# Altium PCB MU_MP_39_V1_ASMB.PcbDoc (part 2 of 15) (continued)
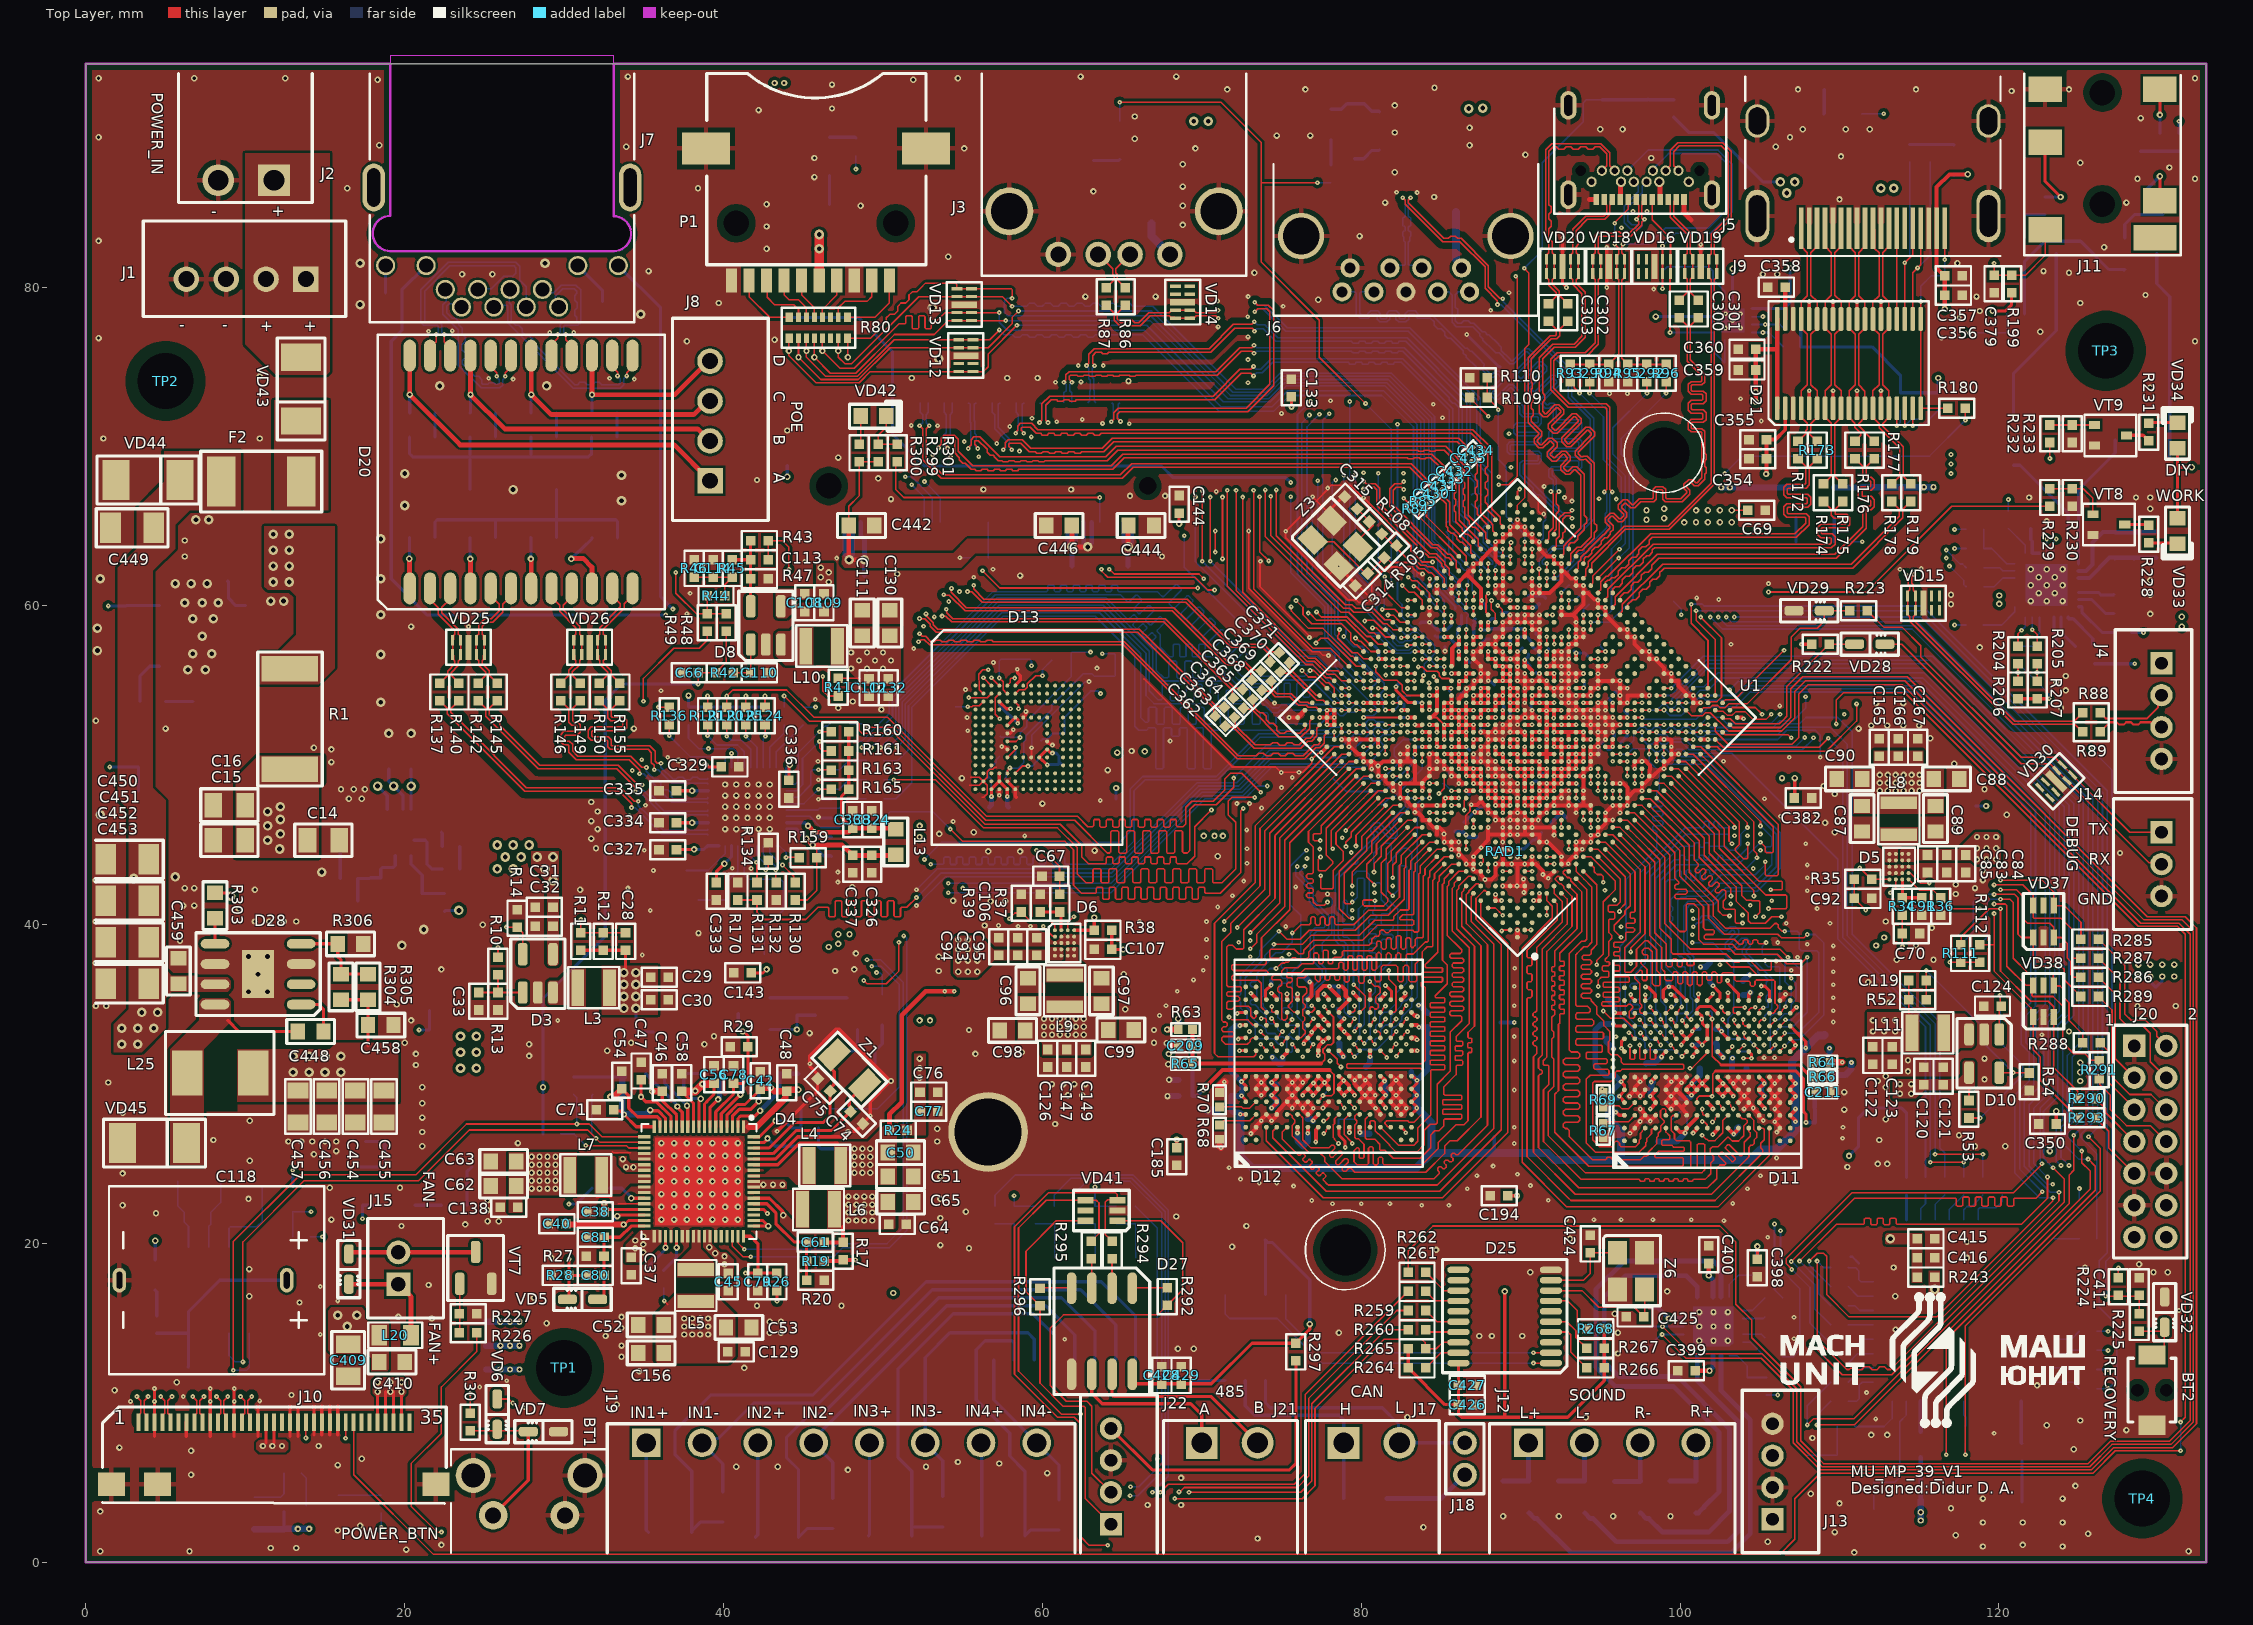
[diagram p0: Top Layer view]
## Components (designator, comment, footprint, x,y, rotation, side; value= is the part's Value field where it differs from the comment) (continued)
R92 "15K" RES_SMD_0402 95.1,91.2 r270 bottom
R93 "100K" RES_SMD_0402 93.125,74.6 r270 top
R94 "2M" RES_SMD_0402 95.525,74.6 r90 top
R95 "2M" RES_SMD_0402 96.725,74.6 r90 top
R96 "100K" RES_SMD_0402 99.125,74.6 r270 top
R97 "499R" RES_SMD_0402_SMALL 94.55,60.375 r45 bottom
R98 "499R" RES_SMD_0402_SMALL 92.25,59.647 r225 bottom
R99 "499R" RES_SMD_0402_SMALL 93.975,60.925 r45 bottom
R100 "499R" RES_SMD_0402_SMALL 93.381,61.611 r225 bottom
R101 "1K" RES_SMD_0402 78.1,87.1 r90 bottom
R102 "4K7" RES_SMD_0402 79.6,88.6 r90 bottom
R103 "47K" RES_SMD_0402 79.6,90.95 r270 bottom
R104 "0R" RES_SMD_0402 45.4,28.45 r180 bottom
R105 "1M" RES_SMD_0402 81.825,63.4 r225 top
R106 "10K" RES_SMD_0402 125.6,22.7 r0 bottom
R107 "DNP" RES_SMD_0402 125.6,21.5 r180 bottom
R108 "22R" RES_SMD_0402 80.9,64.9 r135 top
R109 "10K" RES_SMD_0402 87.35,73.075 r180 top
R110 "10K" RES_SMD_0402 87.35,74.3 r0 top
R111 "2K2" RES_SMD_0402 117.6,38.2 r90 top
R112 "2K2" RES_SMD_0402 118.8,38.2 r90 top
R113 "2K2" RES_SMD_0402 107.025,76.25 r180 bottom
R114 "2K2" RES_SMD_0402 107.025,77.45 r180 bottom
R115 "2K2" RES_SMD_0402 30.6,29.9 r270 bottom
R116 "2K2" RES_SMD_0402 31.8,29.9 r270 bottom
R117 "2K2" RES_SMD_0402 117.6,38.2 r90 bottom
R118 "2K2" RES_SMD_0402 118.8,38.2 r90 bottom
R119 "DNP" RES_SMD_0402 47.7,40.8 r270 bottom
R120 "22R" RES_SMD_0402 40.2,53.1 r90 top
R121 "22R" RES_SMD_0402 39,53.1 r90 top
R122 "22R" RES_SMD_0402 47.3,51.5 r0 bottom
R123 "22R" RES_SMD_0402 47.3,52.7 r0 bottom
R124 "22R" RES_SMD_0402 42.6,53.1 r90 top
R125 "22R" RES_SMD_0402 41.4,53.1 r90 top
R126 "22R" RES_SMD_0402 49.5,49.1 r0 bottom
R127 "22R" RES_SMD_0402 49.5,50.3 r0 bottom
R128 "2K49" RES_SMD_0402 37.1,43.4 r180 bottom
R129 "22R" RES_SMD_0402 49.5,47.9 r0 bottom
R130 "4K7" RES_SMD_0402 44.5,42.1 r270 top
R131 "100R" RES_SMD_0402 42.1,42.1 r90 top
R132 "4K7" RES_SMD_0402 43.3,42.1 r270 top
R133 "22R" RES_SMD_0402 43.8,53.1 r90 bottom
R134 "4K7" RES_SMD_0402 42.8,44.6 r90 top
R135 "22R" RES_SMD_0402 49.5,46.7 r0 bottom
R136 "22R" RES_SMD_0402 36.6,53.1 r90 top
R137 "0R" RES_SMD_0402 22.2,54.6 r90 top
R138 "75R" RES_SMD_0603 21.1,64.3 r0 bottom
R139 "75R" RES_SMD_0603 21.1,72.1 r0 bottom
R140 "0R" RES_SMD_0402 23.4,54.6 r90 top
R141 "22R" RES_SMD_0402 45,53.1 r90 bottom
R142 "0R" RES_SMD_0402 24.6,54.6 r90 top
R143 "75R" RES_SMD_0603 24.9,64.3 r0 bottom
R144 "75R" RES_SMD_0603 24.9,72.1 r0 bottom
R145 "0R" RES_SMD_0402 25.8,54.6 r90 top
R146 "0R" RES_SMD_0402 29.8,54.6 r90 top
R147 "75R" RES_SMD_0603 28.725,64.3 r0 bottom
R148 "75R" RES_SMD_0603 28.725,72.1 r0 bottom
R149 "0R" RES_SMD_0402 31,54.6 r90 top
R150 "0R" RES_SMD_0402 32.2,54.6 r90 top
R151 "4K7" RES_SMD_0402 42.6,53.1 r90 bottom
R152 "75R" RES_SMD_0603 32.55,64.275 r0 bottom
R153 "75R" RES_SMD_0603 32.525,72.1 r0 bottom
R154 "4K7" RES_SMD_0402 41.4,53.1 r90 bottom
R155 "0R" RES_SMD_0402 33.5,54.6 r90 top
R156 "4K7" RES_SMD_0402 40.2,53.1 r90 bottom
R157 "4K7" RES_SMD_0402 39,53.1 r90 bottom
R158 "1K5" RES_SMD_0402 37.8,53.1 r90 bottom
R159 "4K7" RES_SMD_0402 45.3,44.2 r0 top
R160 "4K7" RES_SMD_0402 47.3,52.1 r0 top
R161 "4K7" RES_SMD_0402 47.3,50.9 r0 top
R162 "4K7" RES_SMD_0402 47.3,50.3 r0 bottom
R163 "DNP" RES_SMD_0402 47.3,49.7 r0 top
R164 "4K7" RES_SMD_0402 47.3,49.1 r0 bottom
R165 "DNP" RES_SMD_0402 47.3,48.5 r0 top
R166 "510R" RES_SMD_0402 18.8,79.1 r270 bottom
R167 "4K7" RES_SMD_0402 47.3,47.9 r0 bottom
R168 "4K7" RES_SMD_0402 47.3,46.7 r0 bottom
R169 "510R" RES_SMD_0402 32.95,79.1 r0 bottom
R170 "4K7" RES_SMD_0402 40.9,42.1 r270 top
R171 "1K62" RES_SMD_0402_SMALL 94.676,57.877 r315 bottom
R172 "2R2" RES_SMD_0402 107.4,69.775 r90 top
R173 "2R2" RES_SMD_0402 108.6,69.775 r90 top
R174 "2R2" RES_SMD_0402 109,67.1 r90 top
R175 "2R2" RES_SMD_0402 110.2,67.1 r90 top
R176 "2R2" RES_SMD_0402 110.975,69.775 r90 top
R177 "2R2" RES_SMD_0402 112.175,69.775 r90 top
R178 "2R2" RES_SMD_0402 113.275,67.1 r90 top
R179 "2R2" RES_SMD_0402 114.475,67.1 r90 top
R180 "1K" RES_SMD_0402 117.35,72.4 r180 top
R181 "27K" RES_SMD_0402 113.825,72.825 r90 bottom
R182 "4K7" RES_SMD_0402 115.025,72.825 r90 bottom
R183 "4K7" RES_SMD_0402 116.2,72.825 r90 bottom
R184 "1K8" RES_SMD_0402 114.4,88.4 r90 bottom
R185 "1K8" RES_SMD_0402 115.7,88.4 r90 bottom
R186 "10K" RES_SMD_0402 117.15,80.7 r180 bottom
R187 "100K" RES_SMD_0402 12.425,3.75 r270 bottom
R188 "10K" RES_SMD_0402 12.975,5.6 r180 bottom
R189 "1K" RES_SMD_0402 18.525,3.65 r90 bottom
R190 "10K" RES_SMD_0402 17.225,3.65 r90 bottom
R191 "6K04" RES_SMD_0402 77.775,49.2 r180 bottom
R192 "0R" RES_SMD_0603 24.3,12.1 r0 bottom
R193 "DNO" RES_SMD_0603 24.3,13.6 r0 bottom
R194 "DNP" RES_SMD_0603 24.3,15.1 r0 bottom
R195 "22R" RES_SMD_0402 122.9,85.1 r270 bottom
R196 "22R" RES_SMD_0402 129.2,85.1 r270 bottom
R197 "2K2" RES_SMD_0402 130.1,89.075 r90 bottom
R198 "10K" RES_SMD_0402 121.05,78.325 r180 bottom
R199 "10K" RES_SMD_0402 120.8,80.2 r270 top
R200 "100R" RES_SMD_0402 131.3,89.075 r90 bottom
R201 "10K" RES_SMD_0402 121.05,77.125 r0 bottom
R202 "470R" RES_SMD_0402 121.6,85.1 r270 bottom
R203 "470R" RES_SMD_0402 130.3,85.1 r270 bottom
R204 "0R" RES_SMD_0402 121.2,56.925 r90 top
R205 "0R" RES_SMD_0402 122.4,56.925 r90 top
R206 "2K2" RES_SMD_0402 121.2,54.725 r90 top
R207 "2K2" RES_SMD_0402 122.4,54.725 r90 top
R208 "33R" RES_SMD_0402 118.5,58.8 r0 bottom
R209 "33R" RES_SMD_0402 118.5,61.2 r0 bottom
R210 "33R" RES_SMD_0402 118.5,62.4 r0 bottom
R211 "33R" RES_SMD_0402 118.5,64.8 r0 bottom
R212 "33R" RES_SMD_0402 118.5,63.6 r0 bottom
R213 "33R" RES_SMD_0402 120.6,65.4 r270 bottom
R214 "10K" RES_SMD_0402 121.2,56.975 r270 bottom
R215 "DNP" RES_SMD_0402 122.4,56.975 r90 bottom
R216 "DNP" RES_SMD_0402 104.85,18.55 r270 bottom
R217 "10K" RES_SMD_0402 103.65,18.55 r270 bottom
R218 "DNP" RES_SMD_0402 105.425,11.05 r90 bottom
R219 "10K" RES_SMD_0402 104.225,11.05 r90 bottom
R220 "10K" RES_SMD_0402 97.475,13.5 r0 bottom
R221 "10K" RES_SMD_0402 97.475,14.8 r0 bottom
R222 "10K" RES_SMD_0402 108.8,57.6 r180 top
R223 "100R" RES_SMD_0402 111.2,59.7 r0 top
R224 "10K" RES_SMD_0402 127.5,17.3 r90 top
R225 "10R" RES_SMD_0402 128.8,15.05 r270 top
R226 "10K" RES_SMD_0402 23.975,14.4 r0 top
R227 "100K" RES_SMD_0402 23.975,15.6 r180 top
R228 "100R" RES_SMD_0402 129.4,64.5 r270 top
R229 "10K" RES_SMD_0402 123.2,66.8 r270 top
R230 "100K" RES_SMD_0402 124.6,66.8 r90 top
R231 "100R" RES_SMD_0402 129.4,70.9 r90 top
R232 "10K" RES_SMD_0402 123.2,70.8 r270 top
R233 "100K" RES_SMD_0402 124.6,70.8 r90 top
R234 "22R" RES_SMD_0402 110,10.1 r0 bottom
R235 "22R" RES_SMD_0402 110,11.3 r0 bottom
R236 "22R" RES_SMD_0402 114.2,23.6 r270 bottom
R237 "22R" RES_SMD_0402 110,14.9 r0 bottom
R238 "22R" RES_SMD_0402 110,16.1 r0 bottom
R239 "22R" RES_SMD_0402 110,17.3 r0 bottom
R240 "22R" RES_SMD_0402 110,18.5 r0 bottom
R241 "22R" RES_SMD_0402 110,12.5 r0 bottom
R242 "22R" RES_SMD_0402 110,13.7 r0 bottom
R243 "0R" RES_SMD_0402 115.425,17.9 r0 top
R244 "22R" RES_SMD_0402 117.9,8 r90 bottom
R245 "22R" RES_SMD_0402 116.7,8 r90 bottom
R246 "22R" RES_SMD_0402 115.4,23.6 r270 bottom
R247 "22R" RES_SMD_0402 116.6,23.6 r270 bottom
R248 "22R" RES_SMD_0402 117.8,23.6 r270 bottom
R249 "22R" RES_SMD_0402 119,23.6 r270 bottom
R250 "22R" RES_SMD_0402 125.6,20.3 r180 bottom
R251 "22R" RES_SMD_0402 125.6,14.5 r180 bottom
R252 "22R" RES_SMD_0402 125.6,13.3 r180 bottom
R253 "22R" RES_SMD_0402 125.6,12.1 r180 bottom
R254 "22R" RES_SMD_0402 125.6,10.9 r180 bottom
R255 "22R" RES_SMD_0402 110.4,8.525 r0 bottom
R256 "100K" RES_SMD_0402 113.65,27.075 r0 bottom
R257 "DNP" RES_SMD_0402 120.2,23.6 r90 bottom
R258 "120R" RES_SMD_1206 80.25,4 r0 bottom
R259 "0R" RES_SMD_0402 83.5,15.8 r0 top
R260 "0R" RES_SMD_0402 83.5,14.6 r0 top
R261 "0R" RES_SMD_0402 83.5,17 r0 top
R262 "0R" RES_SMD_0402 83.5,18.2 r0 top
R263 "120R" RES_SMD_0402 69.425,11.95 r90 bottom
R264 "10K" RES_SMD_0402 83.5,12.2 r180 top
R265 "10K" RES_SMD_0402 83.5,13.4 r0 top
R266 "10K" RES_SMD_0402 94.7,12.2 r0 top
R267 "10K" RES_SMD_0402 94.7,13.425 r0 top
R268 "10K" RES_SMD_0402 94.7,14.65 r0 top
R269 "10K" RES_SMD_0402 64.625,21.8 r90 bottom
R270 "10K" RES_SMD_0402 63.3,21.8 r90 bottom
R271 "4K7" RES_SMD_1206 36.65,1.875 r180 bottom
R272 "4K7" RES_SMD_1206 43.35,4.275 r180 bottom
R273 "4K7" RES_SMD_1206 36.65,4.575 r180 bottom
R274 "0R" RES_SMD_0402 65.825,21.8 r90 bottom
R275 "4K7" RES_SMD_1206 43.35,1.575 r180 bottom
R276 "0R" RES_SMD_0402 62,21.8 r90 bottom
R277 "10K" RES_SMD_0402 59.55,21.8 r90 bottom
R278 "4K7" RES_SMD_1206 50.45,4.375 r180 bottom
R279 "4K7" RES_SMD_1206 50.45,1.675 r180 bottom
R280 "0R" RES_SMD_0402 60.75,21.8 r90 bottom
R281 "10K" RES_SMD_0402 58.225,21.8 r90 bottom
R282 "4K7" RES_SMD_1206 57.55,4.425 r180 bottom
R283 "4K7" RES_SMD_1206 57.55,1.675 r180 bottom
R284 "0R" RES_SMD_0402 57.025,21.8 r90 bottom
R285 "100R" RES_SMD_0402 125.7,39.1 r180 top
R286 "100R" RES_SMD_0402 125.7,36.7 r0 top
R287 "100R" RES_SMD_0402 125.7,37.9 r180 top
R288 "100R" RES_SMD_0402 125.8,32.6 r0 top
R289 "100R" RES_SMD_0402 125.7,35.5 r180 top
R290 "100R" RES_SMD_0402 125.5,29.1 r0 top
R291 "100R" RES_SMD_0402 126.3,30.9 r90 top
R292 "0R" RES_SMD_0402 67.825,16.675 r90 top
R293 "100R" RES_SMD_0402 125.5,27.9 r0 top
R294 "0R" RES_SMD_0402 64.375,19.6 r270 top
R295 "0R" RES_SMD_0402 63.075,19.6 r270 top
R296 "0R" RES_SMD_0402 59.85,16.65 r90 top
R297 "0R" RES_SMD_0402 75.9,13.2 r270 top
R298 "10K" RES_SMD_0402 56.05,63.025 r180 bottom
R299 "10K" RES_SMD_0402 49.7,69.6 r270 top
R300 "470R" RES_SMD_0402 48.5,69.6 r270 top
R301 "0R" RES_SMD_0402 50.9,69.6 r270 top
R302 "0R" RES_SMD_2512 8.1,30.8 r0 bottom
R303 "510K" RES_SMD_0603 8.1,41.2 r270 top
R304 "47K" RES_SMD_0603 16,36.1 r270 top
R305 "360K" RES_SMD_0603 17.7,36.1 r270 top
R306 "4K7" RES_SMD_0603 16.6,38.8 r180 top
R307 "100K" RES_SMD_0402 19.2,26.4 r0 bottom
R308 "100K" RES_SMD_0402 22.1,34.6 r0 bottom
R309 "100K" RES_SMD_0402 17,26.4 r0 bottom
R310 "22K1" RES_SMD_0402 16.9,22.4 r0 bottom
RAD1 "RADIATOR" RK3399_RADIATOR_3 89,44.6 r0 top
TP1 "M3.5_NP" M3.5_NP 30,12.2 r0 top
TP2 "M3.5_NP" M3.5_NP 5,74.1 r0 top
TP3 "M3.5_NP" M3.5_NP 126.7,76 r0 top
TP4 "M3.5_NP" M3.5_NP 129,4 r0 top
TP5 "TEST POINT SMD 1MM" "TEST POINT SMD 1MM" 61.4,51.975 r90 bottom
TP6 "TEST POINT SMD 1MM" "TEST POINT SMD 1MM" 62.975,51.975 r90 bottom
TP7 "TEST POINT SMD 1MM" "TEST POINT SMD 1MM" 60.6,56.625 r90 bottom
TP8 "TEST POINT SMD 1MM" "TEST POINT SMD 1MM" 60.6,58.2 r90 bottom
TP9 "TEST POINT SMD 1MM" "TEST POINT SMD 1MM" 81.275,47.55 r0 bottom
TP10 "TEST POINT SMD 1MM" "TEST POINT SMD 1MM" 79.7,49.175 r0 bottom
U1 "RK3399_FF" BGA828C65P31X31_2100X2100X161N 89.8,53 r135 top locked value=RK3399
U2 "PS2801-4" SOIC127P700X210-16N 61.4,15.9 r90 bottom
VD1 "Value" SMA 16.5,73.6 r270 bottom value=B360
VD2 "SMAJ36A" SMA 6.3,67.8 r0 bottom
VD3 "Value" SMA 14.6,54.05 r180 bottom value=B360
VD4 "Diode" SOD323 36.55,33.275 r0 bottom value=PMEG4010
VD5 "Diode" SOD323 31.15,16.5 r180 top value=1N4148WS
VD6 "Diode" SOD323 25.8,9.3 r270 top value=PMEG4010
VD7 "TVS_Diode" SOD323 28.7,8.2 r180 top value=UDD32C05L01
VD8 "Diode" SOD323 49.95,34.65 r270 bottom value=PMEG4010
VD9 "Diode" SOD323 4.35,18.025 r270 bottom value=PMEG4010
VD10 "Diode" SOD323 12.025,22 r180 bottom value=PMEG4010
VD11 "Diode" SOD323 12.025,23.6 r180 bottom value=PMEG4010
VD12 "RCLAMP0524PA" RCLAMP0524PA 55.2,75.7 r270 top
VD13 "RCLAMP0524PA" RCLAMP0524PA 55.1,78.9 r270 top
VD14 "RCLAMP0524PA" RCLAMP0524PA 68.8,79.05 r270 top
VD15 "RCLAMP0524PA" RCLAMP0524PA 115.275,60.175 r180 top
VD16 "RCLAMP0524PA" RCLAMP0524PA 98.4,81.3 r180 top
VD17 "BZT52C3V3" SOD323 98,90.85 r90 bottom
VD18 "RCLAMP0524PA" RCLAMP0524PA 95.525,81.3 r0 top
VD19 "RCLAMP0524PA" RCLAMP0524PA 101.3,81.3 r0 top
VD20 "RCLAMP0524PA" RCLAMP0524PA 92.625,81.3 r180 top
VD21 "Diode" SOD323 78.1,90.2 r90 bottom value=PMEG4010
VD22 "TVS_Diode" SOD323 86.9,86.2 r180 bottom value=UDD32C05L01
VD23 "RCLAMP0524PA" RCLAMP0524PA 82.1,83.65 r180 bottom
VD24 "RCLAMP0524PA" RCLAMP0524PA 87.6,76 r225 bottom
VD25 "RCLAMP0524PA" RCLAMP0524PA 24,57.4 r0 top
VD26 "RCLAMP0524PA" RCLAMP0524PA 31.6,57.4 r0 top
VD27 "Diode" SOD323 117.175,87.975 r90 bottom value=1N4148WS
VD28 "Diode" SOD323 111.9,57.6 r0 top value=1N4148WS
VD29 "BZT52C3V3" SOD323 108.1,59.7 r0 top
VD30 "RCLAMP0524PA" RCLAMP0524PA 123.6,49 r225 top
VD31 "Diode" SOD323 16.5,18.4 r270 top value=1N4148WS
VD32 "TVS_Diode" SOD323 130.4,15.7 r270 top value=UDD32C05L01
VD33 "FYLS-0603UGC" LED_0603 131.2,64.7 r270 top
VD34 "FYLS-0603URC" LED_0603 131.2,70.7 r90 top
VD35 "Diode" SOD323 39.95,3.475 r270 bottom value=1N4148WS
VD36 "Diode" SOD323 46.85,3.075 r270 bottom value=1N4148WS
VD37 "PESD3V3L5UY" SC70-6 122.8,40.2 r90 top
VD38 "PESD3V3L5UY" SC70-6 122.8,35.2 r90 top
VD39 "Diode" SOD323 53.75,3.175 r270 bottom value=1N4148WS
VD40 "Diode" SOD323 61.05,2.975 r270 bottom value=1N4148WS
VD41 "PESD3V3L5UY" SC70-6 63.7,22.075 r180 top
VD42 "FYLS-0603UGC" LED_0603 49.4,71.9 r0 top
VD43 "Value" SMA 13.5,73.6 r270 top value=B360
VD44 "SMAJ36A" SMA 3.9,67.9 r0 top
VD45 "Value" SMA 4.3,26.3 r0 top value=B360
VT1 "Value" SOT23 41.925,34.425 r180 bottom value=WM02P30M
VT2 "BC817-40W" SC-70 47.75,34.425 r90 bottom
VT3 "Value" SOT23 9.55,3.075 r180 bottom value=WM02P30M
VT4 "BC817-40W" SC-70 14.825,3.55 r180 bottom
VT5 "Value" SOT23 122.6,82.1 r0 bottom value=WM02N31M
VT6 "Value" SOT23 128.9,82.1 r0 bottom value=WM02N31M
VT7 "Value" SOT23 24.45,18.475 r90 top value=WM02N31M
VT8 "BC817-40W" SC-70 126.9,65.1 r0 top
VT9 "BC817-40W" SC-70 127,70.7 r0 top
Z1 "Value" TSX3215 47.9,30.9 r135 top value=32.768kHz
Z2 "Value" TSX3215 7.1,23.9 r0 bottom value=32.768kHz
Z3 "Value" TSX3225 78.375,63.925 r315 top value=24MHz
Z4 "Value" TSX3225 41.4,40.7 r180 bottom value=25MHz
Z5 "Value" TSX3225 111,5.875 r180 bottom value=37.4MHz
Z6 "Value" TSX3225 96.925,18.275 r270 top value=8MHz

## Footprints (in the part's own frame and the unit in brackets; to place one, negate y for a bottom-side part, rotate by r counter-clockwise, add the part's x,y. Pads: shape width x height; smd on the part's side, far side on the other; paste and mask are expansions set on the pad)
15EDGRC-3.5-02P [mm]
  rect 2x2 hole 1.3: 1(0,0)
  round 2 hole 1.3: 2(3.5,0)
  silkscreen extent -2.4,-6.7 6,1.4, body extent -2.1,-7.9 5.7,1.3, height 7.2
15EDGRC-3.5-04P [mm] "Body 15.4x9.2mm (15EDGRC-3.5-04P, 1844236)"
  rect 1.8x1.8 hole 1.2: 1(-5.25,8)
  round 1.8 hole 1.2: 2(-1.75,8) 3(1.75,8) 4(5.25,8)
  silkscreen extent -7.7,1.1 7.7,9.2, body extent -7.7,0 7.7,9.2, height 7.25
15EDGRC-3.5-08P [mm]
  rect 1.8x1.8 hole 1.2: 1(-12.25,0)
  round 1.8 hole 1.2: 2(-8.75,0) 3(-5.25,0) 4(-1.75,0) 5(1.75,0) 6(5.25,0) 7(8.75,0) 8(12.25,0)
  silkscreen extent -14.7,-6.9 14.65,1.2, body extent -14.64,-8 14.76,1.2, height 7.35
AP6255 [mm]
  rect 1.125x0.5 smd: 1(-5.688,4.5) 2(-5.688,3.6) 3(-5.688,2.7) 4(-5.688,1.8) 5(-5.688,0.9) 6(-5.688,0) 7(-5.688,-0.9) 8(-5.688,-1.8) 9(-5.688,-2.7) 10(-5.688,-3.6) 11(-5.688,-4.5) 23(5.688,-4.5) 24(5.688,-3.6) 25(5.688,-2.7) 26(5.688,-1.8) 27(5.688,-0.9) 28(5.688,0) 29(5.688,0.9) 30(5.688,1.8) 31(5.688,2.7) 32(5.688,3.6) 33(5.688,4.5)
  rect 0.5x1.125 smd: 12(-4.5,-5.688) 13(-3.6,-5.688) 14(-2.7,-5.688) 15(-1.8,-5.688) 16(-0.9,-5.688) 17(0,-5.688) 18(0.9,-5.688) 19(1.8,-5.688) 20(2.7,-5.688) 21(3.6,-5.688) 22(4.5,-5.688) 34(4.5,5.688) 35(3.6,5.688) 36(2.7,5.688) 37(1.8,5.688) 38(0.9,5.688) 39(0,5.688) 40(-0.9,5.688) 41(-1.8,5.688) 42(-2.7,5.688) 43(-3.6,5.688) 44(-4.5,5.688)
  silkscreen extent -6.5,-6.5 6.5,6.5, body extent -6,-6 6,6, height 1.54
BGA828C65P31X31_2100X2100X161N [mm]
  round 0.3 smd: A1(-9.75,9.75) A2(-9.1,9.75) A3(-8.45,9.75) A4(-7.8,9.75) A5(-7.15,9.75) A6(-6.5,9.75) A7(-5.85,9.75) A8(-5.2,9.75) A9(-4.55,9.75) A10(-3.9,9.75) A11(-3.25,9.75) A12(-2.6,9.75) A13(-1.95,9.75) A14(-1.3,9.75) A15(-0.65,9.75) A16(0,9.75) A17(0.65,9.75) A18(1.3,9.75) A19(1.95,9.75) A20(2.6,9.75) A21(3.25,9.75) A22(3.9,9.75) A23(4.55,9.75) A24(5.2,9.75) A25(5.85,9.75) A26(6.5,9.75) A27(7.15,9.75) A28(7.8,9.75) A29(8.45,9.75) A30(9.1,9.75) A31(9.75,9.75) AA1(-9.75,-3.25) AA2(-9.1,-3.25) AA3(-8.45,-3.25) AA4(-7.8,-3.25) AA5(-7.15,-3.25) AA6(-6.5,-3.25) AA7(-5.85,-3.25) AA8(-5.2,-3.25) AA9(-4.55,-3.25) AA10(-3.9,-3.25) AA11(-3.25,-3.25) AA12(-2.6,-3.25) AA13(-1.95,-3.25) AA14(-1.3,-3.25) AA15(-0.65,-3.25) AA16(0,-3.25) AA17(0.65,-3.25) AA18(1.3,-3.25) AA19(1.95,-3.25) AA20(2.6,-3.25) AA21(3.25,-3.25) AA22(3.9,-3.25) AA23(4.55,-3.25) AA24(5.2,-3.25) AA25(5.85,-3.25) AA26(6.5,-3.25) AA27(7.15,-3.25) AA28(7.8,-3.25) AA29(8.45,-3.25) AA30(9.1,-3.25) AA31(9.75,-3.25) AB1(-9.75,-3.9) AB2(-9.1,-3.9) AB8(-5.2,-3.9) AB9(-4.55,-3.9) AB10(-3.9,-3.9) AB11(-3.25,-3.9) AB12(-2.6,-3.9) AB13(-1.95,-3.9) AB14(-1.3,-3.9) AB15(-0.65,-3.9) AB16(0,-3.9) AB17(0.65,-3.9) AB18(1.3,-3.9) AB19(1.95,-3.9) AB20(2.6,-3.9) AB21(3.25,-3.9) AB22(3.9,-3.9) AB23(4.55,-3.9) AB24(5.2,-3.9) AB30(9.1,-3.9) AB31(9.75,-3.9) AC1(-9.75,-4.55) AC2(-9.1,-4.55) AC3(-8.45,-4.55) AC4(-7.8,-4.55) AC5(-7.15,-4.55) AC6(-6.5,-4.55) AC7(-5.85,-4.55) AC8(-5.2,-4.55) AC9(-4.55,-4.55) AC10(-3.9,-4.55) AC11(-3.25,-4.55) AC12(-2.6,-4.55) AC13(-1.95,-4.55) AC14(-1.3,-4.55) AC15(-0.65,-4.55) AC16(0,-4.55) AC17(0.65,-4.55) AC18(1.3,-4.55) AC19(1.95,-4.55) AC20(2.6,-4.55) AC21(3.25,-4.55) AC22(3.9,-4.55) AC23(4.55,-4.55) AC24(5.2,-4.55) AC25(5.85,-4.55) AC26(6.5,-4.55) AC27(7.15,-4.55) AC28(7.8,-4.55) AC29(8.45,-4.55) AC30(9.1,-4.55) AC31(9.75,-4.55) AD1(-9.75,-5.2) AD2(-9.1,-5.2) AD3(-8.45,-5.2) AD4(-7.8,-5.2) AD5(-7.15,-5.2) AD6(-6.5,-5.2) AD7(-5.85,-5.2) AD8(-5.2,-5.2) AD9(-4.55,-5.2) AD10(-3.9,-5.2) AD11(-3.25,-5.2) AD12(-2.6,-5.2) AD13(-1.95,-5.2) AD14(-1.3,-5.2) AD15(-0.65,-5.2) AD16(0,-5.2) AD17(0.65,-5.2) AD18(1.3,-5.2) AD19(1.95,-5.2) AD20(2.6,-5.2) AD21(3.25,-5.2) AD22(3.9,-5.2) AD23(4.55,-5.2) AD24(5.2,-5.2) AD25(5.85,-5.2) AD26(6.5,-5.2) AD27(7.15,-5.2) AD28(7.8,-5.2) AD29(8.45,-5.2) AD30(9.1,-5.2) AD31(9.75,-5.2) AE1(-9.75,-5.85) AE2(-9.1,-5.85) AE5(-7.15,-5.85) AE6(-6.5,-5.85) AE8(-5.2,-5.85) AE9(-4.55,-5.85) AE11(-3.25,-5.85) AE12(-2.6,-5.85) AE14(-1.3,-5.85) AE15(-0.65,-5.85) AE17(0.65,-5.85) AE18(1.3,-5.85) AE20(2.6,-5.85) AE21(3.25,-5.85) AE23(4.55,-5.85) AE24(5.2,-5.85) AE26(6.5,-5.85) AE27(7.15,-5.85) AE30(9.1,-5.85) AE31(9.75,-5.85) AF1(-9.75,-6.5) AF2(-9.1,-6.5) AF3(-8.45,-6.5) AF4(-7.8,-6.5) AF5(-7.15,-6.5) AF7(-5.85,-6.5) AF8(-5.2,-6.5) AF9(-4.55,-6.5) AF11(-3.25,-6.5) AF12(-2.6,-6.5) AF14(-1.3,-6.5) AF15(-0.65,-6.5) AF17(0.65,-6.5) AF18(1.3,-6.5) AF20(2.6,-6.5) AF21(3.25,-6.5) AF23(4.55,-6.5) AF24(5.2,-6.5) AF25(5.85,-6.5) AF27(7.15,-6.5) AF28(7.8,-6.5) AF29(8.45,-6.5) AF30(9.1,-6.5) AF31(9.75,-6.5) AG1(-9.75,-7.15) AG2(-9.1,-7.15) AG3(-8.45,-7.15) AG4(-7.8,-7.15) AG6(-6.5,-7.15) AG7(-5.85,-7.15) AG8(-5.2,-7.15) AG9(-4.55,-7.15) AG11(-3.25,-7.15) AG12(-2.6,-7.15) AG14(-1.3,-7.15) AG15(-0.65,-7.15) AG17(0.65,-7.15) AG18(1.3,-7.15) AG20(2.6,-7.15) AG21(3.25,-7.15) AG23(4.55,-7.15) AG24(5.2,-7.15) AG25(5.85,-7.15) AG26(6.5,-7.15) AG28(7.8,-7.15) AG29(8.45,-7.15) AG30(9.1,-7.15) AG31(9.75,-7.15) AH1(-9.75,-7.8) AH2(-9.1,-7.8) AH3(-8.45,-7.8) AH5(-7.15,-7.8) AH6(-6.5,-7.8) AH8(-5.2,-7.8) AH9(-4.55,-7.8) AH11(-3.25,-7.8) AH12(-2.6,-7.8) AH14(-1.3,-7.8) AH15(-0.65,-7.8) AH17(0.65,-7.8) AH18(1.3,-7.8) AH20(2.6,-7.8) AH21(3.25,-7.8) AH23(4.55,-7.8) AH24(5.2,-7.8) AH26(6.5,-7.8) AH27(7.15,-7.8) AH29(8.45,-7.8) AH30(9.1,-7.8) AH31(9.75,-7.8) AJ1(-9.75,-8.45) AJ2(-9.1,-8.45) AJ3(-8.45,-8.45) AJ4(-7.8,-8.45) AJ5(-7.15,-8.45) AJ6(-6.5,-8.45) AJ8(-5.2,-8.45) AJ9(-4.55,-8.45) AJ11(-3.25,-8.45) AJ12(-2.6,-8.45) AJ14(-1.3,-8.45) AJ15(-0.65,-8.45) AJ17(0.65,-8.45) AJ18(1.3,-8.45) AJ20(2.6,-8.45) AJ21(3.25,-8.45) AJ23(4.55,-8.45) AJ24(5.2,-8.45) AJ26(6.5,-8.45) AJ27(7.15,-8.45) AJ28(7.8,-8.45) AJ29(8.45,-8.45) AJ30(9.1,-8.45) AJ31(9.75,-8.45) AK1(-9.75,-9.1) AK2(-9.1,-9.1) AK3(-8.45,-9.1) AK4(-7.8,-9.1) AK5(-7.15,-9.1) AK6(-6.5,-9.1) AK7(-5.85,-9.1) AK8(-5.2,-9.1) AK9(-4.55,-9.1) AK10(-3.9,-9.1) AK11(-3.25,-9.1) AK12(-2.6,-9.1) AK13(-1.95,-9.1) AK14(-1.3,-9.1) AK15(-0.65,-9.1) AK16(0,-9.1) AK17(0.65,-9.1) AK18(1.3,-9.1) AK19(1.95,-9.1) AK20(2.6,-9.1) AK21(3.25,-9.1) AK22(3.9,-9.1) AK23(4.55,-9.1) AK24(5.2,-9.1) AK25(5.85,-9.1) AK26(6.5,-9.1) AK27(7.15,-9.1) AK28(7.8,-9.1) AK29(8.45,-9.1) AK30(9.1,-9.1) AK31(9.75,-9.1) AL1(-9.75,-9.75) AL2(-9.1,-9.75) AL3(-8.45,-9.75) AL4(-7.8,-9.75) AL5(-7.15,-9.75) AL6(-6.5,-9.75) AL7(-5.85,-9.75) AL8(-5.2,-9.75) AL9(-4.55,-9.75) AL10(-3.9,-9.75) AL11(-3.25,-9.75) AL12(-2.6,-9.75) AL13(-1.95,-9.75) AL14(-1.3,-9.75) AL15(-0.65,-9.75) AL16(0,-9.75) AL17(0.65,-9.75) AL18(1.3,-9.75) AL19(1.95,-9.75) AL20(2.6,-9.75) AL21(3.25,-9.75) AL22(3.9,-9.75) AL23(4.55,-9.75) AL24(5.2,-9.75) AL25(5.85,-9.75) AL26(6.5,-9.75) AL27(7.15,-9.75) AL28(7.8,-9.75) AL29(8.45,-9.75) AL30(9.1,-9.75) AL31(9.75,-9.75) B1(-9.75,9.1) B2(-9.1,9.1) B3(-8.45,9.1) B4(-7.8,9.1) B5(-7.15,9.1) B6(-6.5,9.1) B7(-5.85,9.1) B8(-5.2,9.1) B9(-4.55,9.1) B10(-3.9,9.1) B11(-3.25,9.1) B12(-2.6,9.1) B13(-1.95,9.1) B14(-1.3,9.1) B15(-0.65,9.1) B16(0,9.1) B17(0.65,9.1) B18(1.3,9.1) B19(1.95,9.1) B20(2.6,9.1) B21(3.25,9.1) B22(3.9,9.1) B23(4.55,9.1) B24(5.2,9.1) B25(5.85,9.1) B26(6.5,9.1) B27(7.15,9.1) B28(7.8,9.1) B29(8.45,9.1) B30(9.1,9.1) B31(9.75,9.1) C1(-9.75,8.45) C2(-9.1,8.45) C3(-8.45,8.45) C4(-7.8,8.45) C5(-7.15,8.45) C6(-6.5,8.45) C8(-5.2,8.45) C9(-4.55,8.45) C11(-3.25,8.45) C12(-2.6,8.45) C14(-1.3,8.45) C15(-0.65,8.45) C17(0.65,8.45) C18(1.3,8.45) C20(2.6,8.45) C21(3.25,8.45) C23(4.55,8.45) C24(5.2,8.45) C26(6.5,8.45) C27(7.15,8.45) C28(7.8,8.45) C29(8.45,8.45) C30(9.1,8.45) C31(9.75,8.45) D1(-9.75,7.8) D2(-9.1,7.8) D3(-8.45,7.8) D5(-7.15,7.8) D6(-6.5,7.8) D8(-5.2,7.8) D9(-4.55,7.8) D11(-3.25,7.8) D12(-2.6,7.8) D14(-1.3,7.8) D15(-0.65,7.8) D17(0.65,7.8) D18(1.3,7.8) D20(2.6,7.8) D21(3.25,7.8) D23(4.55,7.8) D24(5.2,7.8) D26(6.5,7.8) D27(7.15,7.8) D29(8.45,7.8) D30(9.1,7.8) D31(9.75,7.8) E1(-9.75,7.15) E2(-9.1,7.15) E3(-8.45,7.15) E4(-7.8,7.15) E6(-6.5,7.15) E7(-5.85,7.15) E8(-5.2,7.15) E9(-4.55,7.15) E11(-3.25,7.15) E12(-2.6,7.15) E14(-1.3,7.15) E15(-0.65,7.15) E17(0.65,7.15) E18(1.3,7.15) E20(2.6,7.15) E21(3.25,7.15) E23(4.55,7.15) E24(5.2,7.15) E25(5.85,7.15) E26(6.5,7.15) E28(7.8,7.15) E29(8.45,7.15) E30(9.1,7.15) E31(9.75,7.15) F1(-9.75,6.5) F2(-9.1,6.5) F3(-8.45,6.5) F4(-7.8,6.5) F5(-7.15,6.5) F7(-5.85,6.5) F8(-5.2,6.5) F9(-4.55,6.5) F11(-3.25,6.5) F12(-2.6,6.5) F14(-1.3,6.5) F15(-0.65,6.5) F17(0.65,6.5) F18(1.3,6.5) F20(2.6,6.5) F21(3.25,6.5) F23(4.55,6.5) F24(5.2,6.5) F25(5.85,6.5) F27(7.15,6.5) F28(7.8,6.5) F29(8.45,6.5) F30(9.1,6.5) F31(9.75,6.5) G1(-9.75,5.85) G2(-9.1,5.85) G5(-7.15,5.85) G6(-6.5,5.85) G8(-5.2,5.85) G9(-4.55,5.85) G11(-3.25,5.85) G12(-2.6,5.85) G14(-1.3,5.85) G15(-0.65,5.85) G17(0.65,5.85) G18(1.3,5.85) G20(2.6,5.85) G21(3.25,5.85) G23(4.55,5.85) G24(5.2,5.85) G26(6.5,5.85) G27(7.15,5.85) G30(9.1,5.85) G31(9.75,5.85) H1(-9.75,5.2) H2(-9.1,5.2) H3(-8.45,5.2) H4(-7.8,5.2) H5(-7.15,5.2) H6(-6.5,5.2) H7(-5.85,5.2) H9(-4.55,5.2) H10(-3.9,5.2) H11(-3.25,5.2) H12(-2.6,5.2) H13(-1.95,5.2) H14(-1.3,5.2) H15(-0.65,5.2) H16(0,5.2) H17(0.65,5.2) H18(1.3,5.2) H19(1.95,5.2) H20(2.6,5.2) H21(3.25,5.2) H22(3.9,5.2) H23(4.55,5.2) H24(5.2,5.2) H25(5.85,5.2) H26(6.5,5.2) H27(7.15,5.2) H28(7.8,5.2) H29(8.45,5.2) H30(9.1,5.2) H31(9.75,5.2) J1(-9.75,4.55) J2(-9.1,4.55) J3(-8.45,4.55) J4(-7.8,4.55) J5(-7.15,4.55) J6(-6.5,4.55) J7(-5.85,4.55) J8(-5.2,4.55) J9(-4.55,4.55) J10(-3.9,4.55) J11(-3.25,4.55) J12(-2.6,4.55) J13(-1.95,4.55) J14(-1.3,4.55) J15(-0.65,4.55) J16(0,4.55) J17(0.65,4.55) J18(1.3,4.55) J19(1.95,4.55) J20(2.6,4.55) J21(3.25,4.55) J22(3.9,4.55) J23(4.55,4.55) J24(5.2,4.55) J25(5.85,4.55) J26(6.5,4.55) J27(7.15,4.55) J28(7.8,4.55) J29(8.45,4.55) J30(9.1,4.55) J31(9.75,4.55) K1(-9.75,3.9) K2(-9.1,3.9) K8(-5.2,3.9) K9(-4.55,3.9) K10(-3.9,3.9) K11(-3.25,3.9) K12(-2.6,3.9) K13(-1.95,3.9) K14(-1.3,3.9) K15(-0.65,3.9) K16(0,3.9) K17(0.65,3.9) K18(1.3,3.9) K19(1.95,3.9) K20(2.6,3.9) K21(3.25,3.9) K22(3.9,3.9) K23(4.55,3.9) K24(5.2,3.9) K30(9.1,3.9) K31(9.75,3.9) L1(-9.75,3.25) L2(-9.1,3.25) L3(-8.45,3.25) L4(-7.8,3.25) L5(-7.15,3.25) L6(-6.5,3.25) L7(-5.85,3.25) L8(-5.2,3.25) L9(-4.55,3.25) L10(-3.9,3.25) L11(-3.25,3.25) L12(-2.6,3.25) L13(-1.95,3.25) L14(-1.3,3.25) L15(-0.65,3.25) L16(0,3.25) L17(0.65,3.25) L18(1.3,3.25) L19(1.95,3.25) L20(2.6,3.25) L21(3.25,3.25) L22(3.9,3.25) L23(4.55,3.25) L24(5.2,3.25) L25(5.85,3.25) L26(6.5,3.25) L27(7.15,3.25) L28(7.8,3.25) L29(8.45,3.25) L30(9.1,3.25) L31(9.75,3.25) M1(-9.75,2.6) M2(-9.1,2.6) M3(-8.45,2.6) M4(-7.8,2.6) M5(-7.15,2.6) M6(-6.5,2.6) M7(-5.85,2.6) M8(-5.2,2.6) M9(-4.55,2.6) M10(-3.9,2.6) M11(-3.25,2.6) M12(-2.6,2.6) M13(-1.95,2.6) M14(-1.3,2.6) M15(-0.65,2.6) M16(0,2.6) M17(0.65,2.6) M18(1.3,2.6) M19(1.95,2.6) M20(2.6,2.6) M21(3.25,2.6) M22(3.9,2.6) M23(4.55,2.6) M24(5.2,2.6) M25(5.85,2.6) M26(6.5,2.6) M27(7.15,2.6) M28(7.8,2.6) M29(8.45,2.6) M30(9.1,2.6) M31(9.75,2.6) N1(-9.75,1.95) N2(-9.1,1.95) N8(-5.2,1.95) N9(-4.55,1.95) N10(-3.9,1.95) N11(-3.25,1.95) N12(-2.6,1.95) N13(-1.95,1.95) N14(-1.3,1.95) N15(-0.65,1.95) N16(0,1.95) N17(0.65,1.95) N18(1.3,1.95) N19(1.95,1.95) N20(2.6,1.95) N21(3.25,1.95) N22(3.9,1.95) N23(4.55,1.95) N24(5.2,1.95) N30(9.1,1.95) N31(9.75,1.95) P1(-9.75,1.3) P2(-9.1,1.3) P3(-8.45,1.3) P4(-7.8,1.3) P5(-7.15,1.3) P6(-6.5,1.3) P7(-5.85,1.3) P8(-5.2,1.3) P9(-4.55,1.3) P10(-3.9,1.3) P11(-3.25,1.3) P12(-2.6,1.3) P13(-1.95,1.3) P14(-1.3,1.3) P15(-0.65,1.3) P16(0,1.3) P17(0.65,1.3) P18(1.3,1.3) P19(1.95,1.3) P20(2.6,1.3) P21(3.25,1.3) P22(3.9,1.3) P23(4.55,1.3) P24(5.2,1.3) P25(5.85,1.3) P26(6.5,1.3) P27(7.15,1.3) P28(7.8,1.3) P29(8.45,1.3) P30(9.1,1.3) P31(9.75,1.3) R1(-9.75,0.65) R2(-9.1,0.65) R3(-8.45,0.65) R4(-7.8,0.65) R5(-7.15,0.65) R6(-6.5,0.65) R7(-5.85,0.65) R8(-5.2,0.65) R9(-4.55,0.65) R10(-3.9,0.65) R11(-3.25,0.65) R12(-2.6,0.65) R13(-1.95,0.65) R14(-1.3,0.65) R15(-0.65,0.65) R16(0,0.65) R17(0.65,0.65) R18(1.3,0.65) R19(1.95,0.65) R20(2.6,0.65) R21(3.25,0.65) R22(3.9,0.65) R23(4.55,0.65) R24(5.2,0.65) R25(5.85,0.65) R26(6.5,0.65) R27(7.15,0.65) R28(7.8,0.65) R29(8.45,0.65) R30(9.1,0.65) R31(9.75,0.65) T1(-9.75,0) T2(-9.1,0) T8(-5.2,0) T9(-4.55,0) T10(-3.9,0) T11(-3.25,0) T12(-2.6,0) T13(-1.95,0) T14(-1.3,0) T15(-0.65,0) T16(0,0) T17(0.65,0) T18(1.3,0) T19(1.95,0) T20(2.6,0) T21(3.25,0) T22(3.9,0) T23(4.55,0) T24(5.2,0) T30(9.1,0) T31(9.75,0) U1(-9.75,-0.65) U2(-9.1,-0.65) U3(-8.45,-0.65) U4(-7.8,-0.65) U5(-7.15,-0.65) U6(-6.5,-0.65) U7(-5.85,-0.65) U8(-5.2,-0.65) U9(-4.55,-0.65) U10(-3.9,-0.65) U11(-3.25,-0.65) U12(-2.6,-0.65) U13(-1.95,-0.65) U14(-1.3,-0.65) U15(-0.65,-0.65) U16(0,-0.65) U17(0.65,-0.65) U18(1.3,-0.65) U19(1.95,-0.65) U20(2.6,-0.65) U21(3.25,-0.65) U22(3.9,-0.65) U23(4.55,-0.65) U24(5.2,-0.65) U25(5.85,-0.65) U26(6.5,-0.65) U27(7.15,-0.65) U28(7.8,-0.65) U29(8.45,-0.65) U30(9.1,-0.65) U31(9.75,-0.65) V1(-9.75,-1.3) V2(-9.1,-1.3) V3(-8.45,-1.3) V4(-7.8,-1.3) V5(-7.15,-1.3) V6(-6.5,-1.3) V7(-5.85,-1.3) V8(-5.2,-1.3) V9(-4.55,-1.3) V10(-3.9,-1.3) V11(-3.25,-1.3) V12(-2.6,-1.3) V13(-1.95,-1.3) V14(-1.3,-1.3) V15(-0.65,-1.3) V16(0,-1.3) V17(0.65,-1.3) V18(1.3,-1.3) V19(1.95,-1.3) V20(2.6,-1.3) V21(3.25,-1.3) V22(3.9,-1.3) V23(4.55,-1.3) V24(5.2,-1.3) V25(5.85,-1.3) V26(6.5,-1.3) V27(7.15,-1.3) V28(7.8,-1.3) V29(8.45,-1.3) V30(9.1,-1.3) V31(9.75,-1.3) W1(-9.75,-1.95) W2(-9.1,-1.95) W8(-5.2,-1.95) W9(-4.55,-1.95) W10(-3.9,-1.95) W11(-3.25,-1.95) W12(-2.6,-1.95) W13(-1.95,-1.95) W14(-1.3,-1.95) W15(-0.65,-1.95) W16(0,-1.95) W17(0.65,-1.95) W18(1.3,-1.95) W19(1.95,-1.95) W20(2.6,-1.95) W21(3.25,-1.95) W22(3.9,-1.95) W23(4.55,-1.95) W24(5.2,-1.95) W30(9.1,-1.95) W31(9.75,-1.95) Y1(-9.75,-2.6) Y2(-9.1,-2.6) Y3(-8.45,-2.6) Y4(-7.8,-2.6) Y5(-7.15,-2.6) Y6(-6.5,-2.6) Y7(-5.85,-2.6) Y8(-5.2,-2.6) Y9(-4.55,-2.6) Y10(-3.9,-2.6) Y11(-3.25,-2.6) Y12(-2.6,-2.6) Y13(-1.95,-2.6) Y14(-1.3,-2.6) Y15(-0.65,-2.6) Y16(0,-2.6) Y17(0.65,-2.6) Y18(1.3,-2.6) Y19(1.95,-2.6) Y20(2.6,-2.6) Y21(3.25,-2.6) Y22(3.9,-2.6) Y23(4.55,-2.6) Y24(5.2,-2.6) Y25(5.85,-2.6) Y26(6.5,-2.6) Y27(7.15,-2.6) Y28(7.8,-2.6) Y29(8.45,-2.6) Y30(9.1,-2.6) Y31(9.75,-2.6)
  silkscreen extent -11.49,-10.58 10.58,10.58, body extent -10.5,-10.5 10.5,10.5, height 1.61